# Altium PCB PCB.PcbDoc
Units mil, origin at the board's own origin, x right, y up, seen from the top; angles counter-clockwise.
Board outline 3910.03 x 3910.03 mil, 2 copper layers (Top Layer, Bottom Layer); 122 components, 81 nets, 452 pads, 76 vias.
Unrouted connection lines stored in the file: 29.
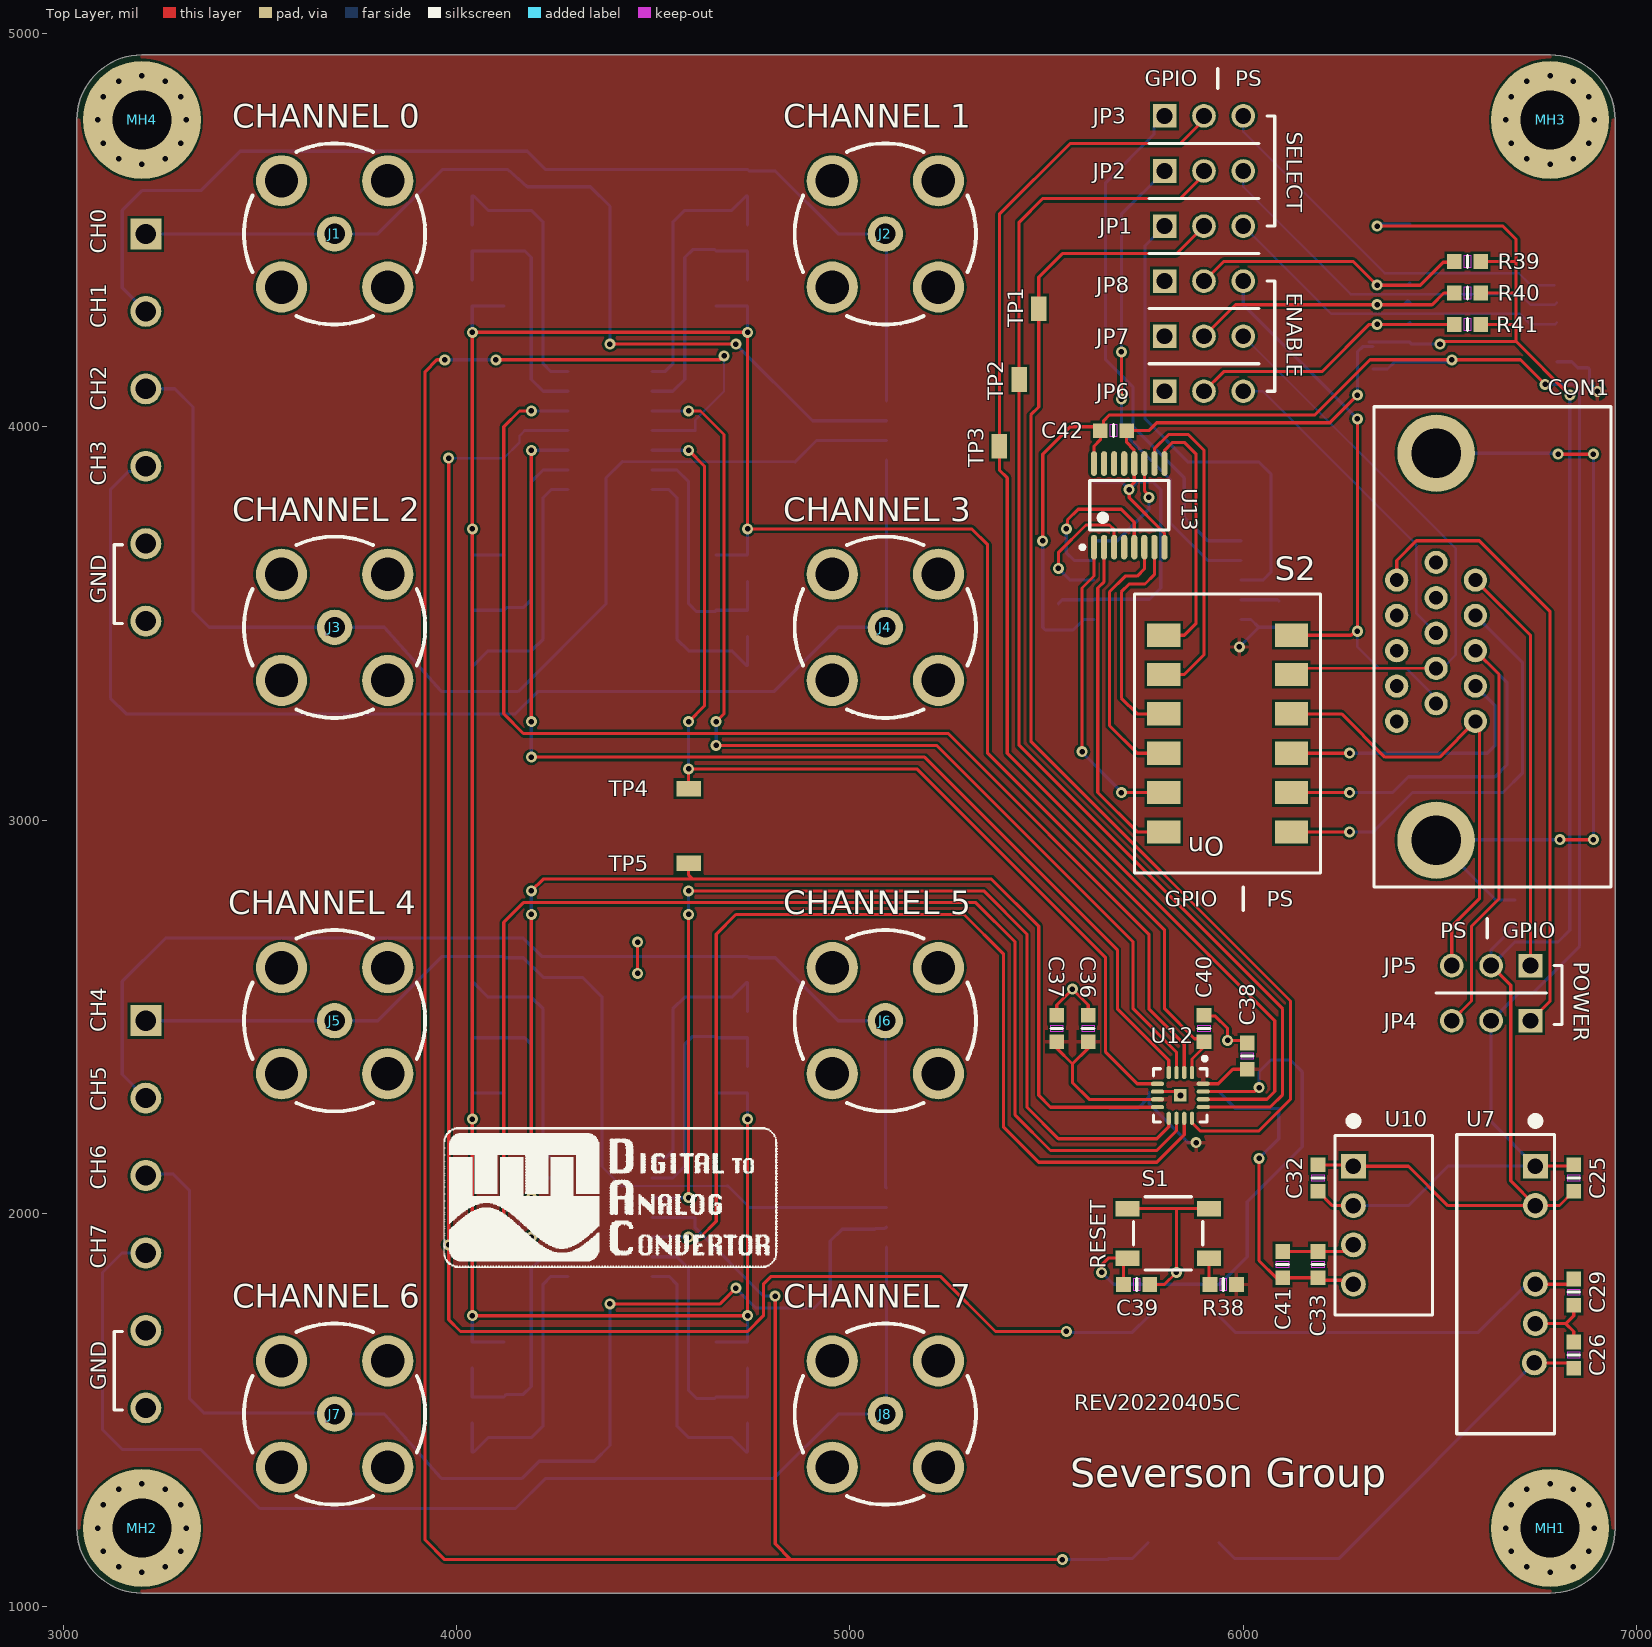
[diagram p0: Top Layer view]
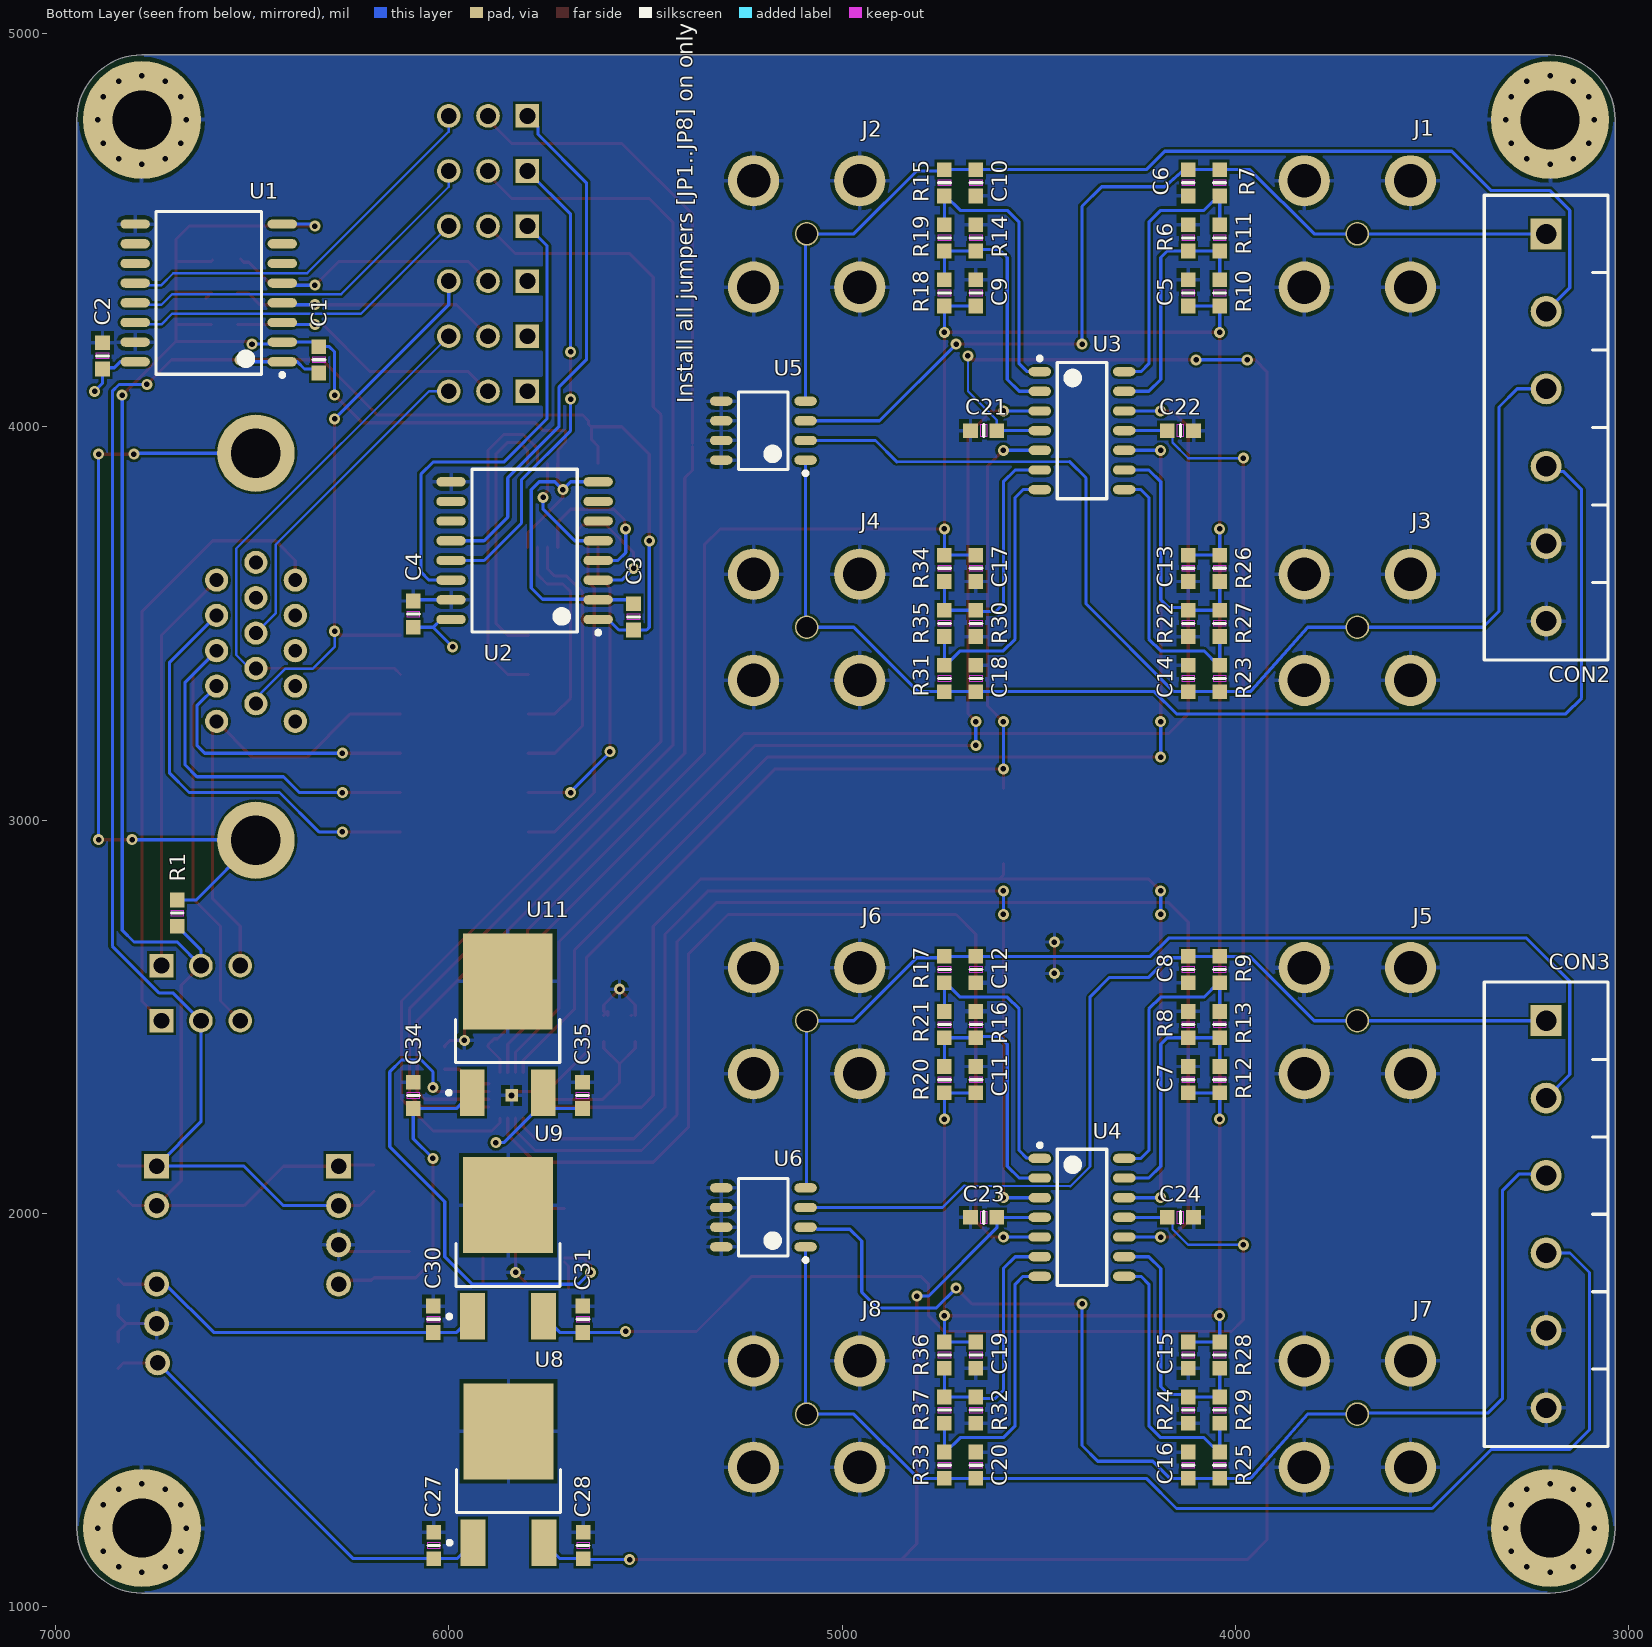
[diagram p1: Bottom Layer view, seen from below]

## Layer stack, top to bottom
Top Solder: solder mask 0.4, Solder Resist, Dk 3.5
Top Layer: signal copper 1.4
Dielectric 1: dielectric 12.6, FR-4, Dk 4.8
Bottom Layer: signal copper 1.4
Bottom Solder: solder mask 0.4, Solder Resist, Dk 3.5

## Board outline
6945.02,4780 ccw(c6780,4780) 6780,4945.02 3200,4945.02 ccw(c3200,4780) 3034.99,4780 3034.99,1200 ccw(c3200,1200) 3200,1034.98 6780,1034.98 ccw(c6780,1200) 6945.02,1200

## Design rules (kind name [scope] priority, off if disabled: settings)
Clearance [All] p1: gap=6 ignorepadtopadclearanceinfootprint=FALSE except(0: Arc-Hole Track-Hole SMDPad-Hole THPad-Hole Via-Hole Fill-Hole Poly-Hole Region-Hole Text-Hole)
DiffPairsRouting [All] p1: maxlimit=10 minlimit=10 mostfreqgap=10 substack1={6DC5AF7B-AFB7-40CB-90A0-DD7BBE91D74D} toplayer_{6dc5af7b-afb7-40cb-90a0-dd7bbe91d74d}_minwidth=15 toplayer_{6dc5af7b-afb7-40cb-90a0-dd7bbe91d74d}_maxwidth=15 toplayer_{6dc5af7b-afb7-40cb-90a0-dd7bbe91d74d}_prefwidth=15 bottomlayer_{6dc5af7b-afb7-40cb-90a0-dd7bbe91d74d}_minwidth=15 bottomlayer_{6dc5af7b-afb7-40cb-90a0-dd7bbe91d74d}_maxwidth=15 bottomlayer_{6dc5af7b-afb7-40cb-90a0-dd7bbe91d74d}_prefwidth=15 substack2={B2F53289-923C-4D80-BDE0-C70317A132FC} toplayer_{b2f53289-923c-4d80-bde0-c70317a132fc}_minwidth=15 toplayer_{b2f53289-923c-4d80-bde0-c70317a132fc}_maxwidth=15 toplayer_{b2f53289-923c-4d80-bde0-c70317a132fc}_prefwidth=15 bottomlayer_{b2f53289-923c-4d80-bde0-c70317a132fc}_minwidth=15 bottomlayer_{b2f53289-923c-4d80-bde0-c70317a132fc}_maxwidth=15 bottomlayer_{b2f53289-923c-4d80-bde0-c70317a132fc}_prefwidth=15 substack3={6217F55B-C9BC-4BE3-A519-856FA9E1F721} toplayer_{6217f55b-c9bc-4be3-a519-856fa9e1f721}_minwidth=15 toplayer_{6217f55b-c9bc-4be3-a519-856fa9e1f721}_maxwidth=15 toplayer_{6217f55b-c9bc-4be3-a519-856fa9e1f721}_prefwidth=15 bottomlayer_{6217f55b-c9bc-4be3-a519-856fa9e1f721}_minwidth=15 bottomlayer_{6217f55b-c9bc-4be3-a519-856fa9e1f721}_maxwidth=15 bottomlayer_{6217f55b-c9bc-4be3-a519-856fa9e1f721}_prefwidth=15 toplayer_minwidth=15 toplayer_maxwidth=15 toplayer_prefwidth=15 bottomlayer_minwidth=15 bottomlayer_maxwidth=15 bottomlayer_prefwidth=15 substack4={D87052B6-A27C-401B-AC05-89099C7DFB8A} toplayer_{d87052b6-a27c-401b-ac05-89099c7dfb8a}_minwidth=15 toplayer_{d87052b6-a27c-401b-ac05-89099c7dfb8a}_maxwidth=15 toplayer_{d87052b6-a27c-401b-ac05-89099c7dfb8a}_prefwidth=15 bottomlayer_{d87052b6-a27c-401b-ac05-89099c7dfb8a}_minwidth=15 bottomlayer_{d87052b6-a27c-401b-ac05-89099c7dfb8a}_maxwidth=15 bottomlayer_{d87052b6-a27c-401b-ac05-89099c7dfb8a}_prefwidth=15 substack5={7E4C404F-C848-4BC7-B60F-ECC0B7D8BEE9} toplayer_{7e4c404f-c848-4bc7-b60f-ecc0b7d8bee9}_minwidth=15 toplayer_{7e4c404f-c848-4bc7-b60f-ecc0b7d8bee9}_maxwidth=15 toplayer_{7e4c404f-c848-4bc7-b60f-ecc0b7d8bee9}_prefwidth=15 bottomlayer_{7e4c404f-c848-4bc7-b60f-ecc0b7d8bee9}_minwidth=15 bottomlayer_{7e4c404f-c848-4bc7-b60f-ecc0b7d8bee9}_maxwidth=15 bottomlayer_{7e4c404f-c848-4bc7-b60f-ecc0b7d8bee9}_prefwidth=15 substack6={9BDC3B81-D62A-426B-8E99-F9247763E9F1} toplayer_{9bdc3b81-d62a-426b-8e99-f9247763e9f1}_minwidth=15 toplayer_{9bdc3b81-d62a-426b-8e99-f9247763e9f1}_maxwidth=15 toplayer_{9bdc3b81-d62a-426b-8e99-f9247763e9f1}_prefwidth=15 bottomlayer_{9bdc3b81-d62a-426b-8e99-f9247763e9f1}_minwidth=15 bottomlayer_{9bdc3b81-d62a-426b-8e99-f9247763e9f1}_maxwidth=15 bottomlayer_{9bdc3b81-d62a-426b-8e99-f9247763e9f1}_prefwidth=15 maxuncoupledlength=500
HoleSize [All] p1: absolutevalues=TRUE maxlimit=250 minlimit=14 maxpercent=80.000 minpercent=20.000
MinimumSolderMaskSliver MinimumSolderMaskSliverException [HasFootprint('QFN50P300X300X80_HS-17N') vs HasFootprint('QFN50P300X300X80_HS-17N')] p1: minsoldermaskwidth=5.5
MinimumSolderMaskSliver [All] p2: minsoldermaskwidth=6
PolygonConnect [All] p1: connectstyle=Relief reliefconductorwidth=10 reliefentries=4 polygonreliefangle="90 Angle" airgapwidth=10
RoutingVias [All] p1: holewidth=14 width=28 viastyle="Through Hole" minholewidth=14 minwidth=28 maxholewidth=28 maxwidth=50
SilkToSilkClearance [All] p1: silktosilkclearance=6
SilkToSolderMaskClearance [IsPad] p1: minsilkscreentomaskgap=6 clearancetoexposedcopper=TRUE
SolderMaskExpansion [All] p1: expansion=4 istentingtop=FALSE
Width [All] p1: maxlimit=20 minlimit=6 preferedwidth=6 substack1={6DC5AF7B-AFB7-40CB-90A0-DD7BBE91D74D} substack2={B2F53289-923C-4D80-BDE0-C70317A132FC} substack3={6217F55B-C9BC-4BE3-A519-856FA9E1F721} substack4={D87052B6-A27C-401B-AC05-89099C7DFB8A} substack5={7E4C404F-C848-4BC7-B60F-ECC0B7D8BEE9} substack6={9BDC3B81-D62A-426B-8E99-F9247763E9F1} minimp=50.000000 maximp=50.000000 favimp=50.000000
25 further rules are at their usual default settings.

## Components (designator, comment, footprint, x,y, rotation, side; value= is the part's Value field where it differs from the comment)
C1 "CC0603KRX7R8BB104" 0603-CAP 6330,4170 r270 bottom value=0.1uF
C2 "CC0603KRX7R8BB104" 0603-CAP 6880,4180 r270 bottom value=0.1uF
C3 "CC0603KRX7R8BB104" 0603-CAP 5530,3516.54 r270 bottom value=0.1uF
C4 "CC0603KRX7R8BB104" 0603-CAP 6090,3523.46 r270 bottom value=0.1uF
C5 "CC0603KRX7R7BB184" 0603-CAP 4120,4340 r90 bottom value=0.18uF
C6 "CC0603KRX7R9BB103" 0603-CAP 4120,4620 r90 bottom value=10nF
C7 "CC0603KRX7R7BB184" 0603-CAP 4120,2340 r90 bottom value=0.18uF
C8 "CC0603KRX7R9BB103" 0603-CAP 4120,2620 r90 bottom value=10nF
C9 "CC0603KRX7R7BB184" 0603-CAP 4660,4340 r90 bottom value=0.18uF
C10 "CC0603KRX7R9BB103" 0603-CAP 4660,4620 r90 bottom value=10nF
C11 "CC0603KRX7R7BB184" 0603-CAP 4660,2340 r90 bottom value=0.18uF
C12 "CC0603KRX7R9BB103" 0603-CAP 4660,2620 r90 bottom value=10nF
C13 "CC0603KRX7R7BB184" 0603-CAP 4120,3640 r270 bottom value=0.18uF
C14 "CC0603KRX7R9BB103" 0603-CAP 4120,3360 r270 bottom value=10nF
C15 "CC0603KRX7R7BB184" 0603-CAP 4120,1640 r270 bottom value=0.18uF
C16 "CC0603KRX7R9BB103" 0603-CAP 4120,1360 r270 bottom value=10nF
C17 "CC0603KRX7R7BB184" 0603-CAP 4660,3640 r270 bottom value=0.18uF
C18 "CC0603KRX7R9BB103" 0603-CAP 4660,3360 r270 bottom value=10nF
C19 "CC0603KRX7R7BB184" 0603-CAP 4660,1640 r270 bottom value=0.18uF
C20 "CC0603KRX7R9BB103" 0603-CAP 4660,1360 r270 bottom value=10nF
C21 "CC0603KRX7R8BB104" 0603-CAP 4640,3990 r180 bottom value=0.1uF
C22 "CC0603KRX7R8BB104" 0603-CAP 4140,3990 r0 bottom value=0.1uF
C23 "CC0603KRX7R8BB104" 0603-CAP 4640,1990 r180 bottom value=0.1uF
C24 "CC0603KRX7R8BB104" 0603-CAP 4140,1990 r0 bottom value=0.1uF
C25 "CL10A475KA8NQNC" 0603-CAP 6840,2090 r90 top value=4.7uF
C26 "CL10B474KO8NNNC" 0603-CAP 6840,1640 r270 top value=0.47uF
C27 "CL10A105KP8NNNC" 0603-CAP 6038,1156 r270 bottom value=1uF
C28 "CL10A105KP8NNNC" 0603-CAP 5658,1156 r270 bottom value=1uF
C29 "CL10B474KO8NNNC" 0603-CAP 6840,1800 r270 top value=0.47uF
C30 "CL10A105KP8NNNC" 0603-CAP 6039,1731 r90 bottom value=1uF
C31 "CL10A105KP8NNNC" 0603-CAP 5659,1731 r90 bottom value=1uF
C32 "CL10A475KA8NQNC" 0603-CAP 6190,2090 r270 top value=4.7uF
C33 "CL10A105KP8NNNC" 0603-CAP 6190,1870 r270 top value=1uF
C34 "CL10A105KP8NNNC" 0603-CAP 6090,2300 r270 bottom value=1uF
C35 "CL10A105KP8NNNC" 0603-CAP 5660,2300 r270 bottom value=1uF
C36 "CL10A475KA8NQNC" 0603-CAP 5605.75,2470 r270 top value=4.7uF
C37 "CC0603KRX7R7BB184" 0603-CAP 5525.75,2470 r270 top value=0.18uF
C38 "CC0603KRX7R7BB184" 0603-CAP 6010,2400 r270 top value=0.18uF
C39 "CC0603KRX7R7BB184" 0603-CAP 5729,1819.43 r180 top value=0.18uF
C40 "CC0603KRX7R7BB184" 0603-CAP 5900,2470 r270 top value=0.18uF
C41 "CL10A105KP8NNNC" 0603-CAP 6100,1870 r270 top value=1uF
C42 "CC0603KRX7R8BB104" 0603-CAP 5670,3990 r180 top value=0.1uF
CON1 "ICD15S13E6GX00LF" ICD15S13E6GX00LF 6490,3440.51 r90 top
CON2 "1935200" 1935200 3210,4490 r270 bottom locked
CON3 "1935200" 1935200 3210,2490 r270 bottom locked
J1 "0731711900" 0731711900 3690,4490 r0 top
J2 "0731711900" 0731711900 5090,4490 r180 top
J3 "0731711900" 0731711900 3690,3490 r0 top
J4 "0731711900" 0731711900 5090,3490 r180 top
J5 "0731711900" 0731711900 3690,2490 r0 top
J6 "0731711900" 0731711900 5090,2490 r180 top
J7 "0731711900" 0731711900 3690,1490 r0 top
J8 "0731711900" 0731711900 5090,1490 r180 top
JP1 "TSW-103-07-F-S" PIN_HEADER_1X3 5900,4510 r0 top
JP2 "TSW-103-07-F-S" PIN_HEADER_1X3 5900,4650 r0 top
JP3 "TSW-103-07-F-S" PIN_HEADER_1X3 5900,4790 r0 top
JP4 "TSW-103-07-F-S" PIN_HEADER_1X3 6630,2490 r180 top
JP5 "TSW-103-07-F-S" PIN_HEADER_1X3 6630,2630 r180 top
JP6 "TSW-103-07-F-S" PIN_HEADER_1X3 5900,4090 r0 top
JP7 "TSW-103-07-F-S" PIN_HEADER_1X3 5900,4230 r0 top
JP8 "TSW-103-07-F-S" PIN_HEADER_1X3 5900,4370 r0 top
MH1 "MOUNT_HOLE" MOUNTING_HOLE 6780,1200 r180 top
MH2 "MOUNT_HOLE" MOUNTING_HOLE 3200,1200 r180 top
MH3 "MOUNT_HOLE" MOUNTING_HOLE 6780,4780 r180 top
MH4 "MOUNT_HOLE" MOUNTING_HOLE 3200,4780 r180 top
R1 "Resistor" 0603-RES 6690,2763.46 r270 bottom value=DNP
R6 "ERJ-PB3B1002V" 0603-RES 4120,4480 r270 bottom value=10K
R7 "RC0603FR-07120RL" 0603-RES 4040,4620 r90 bottom value=120
R8 "ERJ-PB3B1002V" 0603-RES 4120,2480 r270 bottom value=10K
R9 "RC0603FR-07120RL" 0603-RES 4040,2620 r90 bottom value=120
R10 "ERJ-PB3B7501V" 0603-RES 4040,4340 r90 bottom value=7.5K
R11 "ERJ-PB3B3002V" 0603-RES 4040,4480 r90 bottom value=30K
R12 "ERJ-PB3B7501V" 0603-RES 4040,2340 r90 bottom value=7.5K
R13 "ERJ-PB3B3002V" 0603-RES 4040,2480 r90 bottom value=30K
R14 "ERJ-PB3B1002V" 0603-RES 4660,4480 r270 bottom value=10K
R15 "RC0603FR-07120RL" 0603-RES 4740,4620 r90 bottom value=120
R16 "ERJ-PB3B1002V" 0603-RES 4660,2480 r270 bottom value=10K
R17 "RC0603FR-07120RL" 0603-RES 4740,2620 r90 bottom value=120
R18 "ERJ-PB3B7501V" 0603-RES 4740,4340 r90 bottom value=7.5K
R19 "ERJ-PB3B3002V" 0603-RES 4740,4480 r90 bottom value=30K
R20 "ERJ-PB3B7501V" 0603-RES 4740,2340 r90 bottom value=7.5K
R21 "ERJ-PB3B3002V" 0603-RES 4740,2480 r90 bottom value=30K
R22 "ERJ-PB3B1002V" 0603-RES 4120,3500 r90 bottom value=10K
R23 "RC0603FR-07120RL" 0603-RES 4040,3360 r270 bottom value=120
R24 "ERJ-PB3B1002V" 0603-RES 4120,1500 r90 bottom value=10K
R25 "RC0603FR-07120RL" 0603-RES 4040,1360 r270 bottom value=120
R26 "ERJ-PB3B7501V" 0603-RES 4040,3640 r270 bottom value=7.5K
R27 "ERJ-PB3B3002V" 0603-RES 4040,3500 r270 bottom value=30K
R28 "ERJ-PB3B7501V" 0603-RES 4040,1640 r270 bottom value=7.5K
R29 "ERJ-PB3B3002V" 0603-RES 4040,1500 r270 bottom value=30K
R30 "ERJ-PB3B1002V" 0603-RES 4660,3500 r90 bottom value=10K
R31 "RC0603FR-07120RL" 0603-RES 4740,3360 r270 bottom value=120
R32 "ERJ-PB3B1002V" 0603-RES 4660,1500 r90 bottom value=10K
R33 "RC0603FR-07120RL" 0603-RES 4740,1360 r270 bottom value=120
R34 "ERJ-PB3B7501V" 0603-RES 4740,3640 r270 bottom value=7.5K
R35 "ERJ-PB3B3002V" 0603-RES 4740,3500 r270 bottom value=30K
R36 "ERJ-PB3B7501V" 0603-RES 4740,1640 r270 bottom value=7.5K
R37 "ERJ-PB3B3002V" 0603-RES 4740,1500 r270 bottom value=30K
R38 "ERJ-PB3B1002V" 0603-RES 5949,1819.43 r0 top value=10K
R39 "ERJ-PB3B1002V" 0603-RES 6570,4420 r180 top value=10K
R40 "ERJ-PB3B1002V" 0603-RES 6570,4340 r180 top value=10K
R41 "ERJ-PB3B1002V" 0603-RES 6570,4260 r180 top value=10K
S1 "PTS 647 SK38 SMTR2 LFS" PTS647SK38SMTR2LFSCT-ND 5809,1949.43 r180 top
S2 "SDA06H0SBR" SDA06H0SBR 5960,3220 r180 top
TP1 "Test Point" RCU-0C 5480,4300 r0 top
TP2 "Test Point" RCU-0C 5430,4120 r180 top
TP3 "Test Point" RCU-0C 5380,3950 r180 top
TP4 "Test Point" RCU-0C 4590,3080 r90 top
TP5 "Test Point" RCU-0C 4590,2890 r90 top
U1 "ADUM130E1BRWZ" SOIC127P1030X265-16N 6610,4340 r0 bottom
U2 "ADUM130E1BRWZ" SOIC127P1030X265-16N 5807.01,3685 r0 bottom
U3 "OPA4192IDR" SOIC127P600X175-14N 4390,3990 r180 bottom
U4 "OPA4192IDR" SOIC127P600X175-14N 4390,1990 r180 bottom
U5 "SMDA12CTR" SOIC127P600X175-8N-B 5200,3990 r0 bottom
U6 "SMDA12CTR" SOIC127P600X175-8N-B 5200,1990 r0 bottom
U7 "PDME1-S5-D15-S" PDME1-S5-D15-S 6742.57,2120.18 r270 top
U8 "MC78M12BDTRKG" DPAK229P991X238-3N 5848,1304.66 r90 bottom
U9 "MC79M12CDTRKG" DPAK229P991X238-3N 5849,1879.66 r90 bottom
U10 "PDSE1-S5-S9-S" PDSE1-S5-S9-S 6280,1970 r270 top
U11 "MC78M05CDTRKG" DPAK229P991X238-3N 5850,2448.66 r90 bottom
U12 "DAC60508MCRTET" QFN50P300X300X80_HS-17N 5840,2300 r270 top
U13 "AM26C32" TSOP65P640X120-16N 5710,3800 r90 top

## Footprints (in the part's own frame and the unit in brackets; to place one, negate y for a bottom-side part, rotate by r counter-clockwise, add the part's x,y. Pads: shape width x height; smd on the part's side, far side on the other; paste and mask are expansions set on the pad)
0603-CAP [mm]
  rect 0.95x0.95 smd: 1(-0.85,0) 2(0.85,0)
  Top Layer keep-out region: -0.2,0.4 0.2,0.4 0.2,-0.4 -0.2,-0.4
  silkscreen extent 0,-0.38 0,0.38, body extent -0.77,-0.45 0.83,0.45, height 0.78
0603-RES [mm]
  rect 0.95x0.95 smd: 1(-0.85,0) 2(0.85,0)
  Top Layer keep-out region: -0.2,0.4 0.2,0.4 0.2,-0.4 -0.2,-0.4
  silkscreen extent 0,-0.38 0,0.38, body extent -0.8,-0.4 0.8,0.4, height 0.44
1935200 [mm]
  rect 2x2 hole 1.3: 1(0,0)
  round 2 hole 1.3: 2(5,0) 3(10,0) 4(15,0) 5(20,0) 6(25,0)
  silkscreen extent -2.5,-4 27.5,4, body extent -2.9,-4 27.5,5, height 11.5
0731711900 [mil] "CONN BNC JACK STR 75 OHM PCB"
  round 90 / inner round 60 / far side round 60 hole 52: 1(0,0)
  round 130 hole 85: 2(-135,-135)
  round 130 hole 85 paste+0: 2(-135,135) 2(135,-135) 2(135,135)
  silkscreen extent -230,-230 230,230, body extent -217,-217 217,217, height 657
DPAK229P991X238-3N [mm] "D-PAK, 3-Pads, Body 6.21x6.73mm (max), IPC Medium Density"
  rect 3x1.6 smd: 1(-3.59,2.29) 3(-3.59,-2.29)
  rect 6.2x5.8 smd: 4(3.59,0)
  silkscreen extent -3.72,-3.36 1.12,3.93, body extent -4.35,-3.38 5.56,3.37, height 2.38
ICD15S13E6GX00LF [mm] "CONN DSUB HD RCPT 15POS R/A SLDR"
  round 1.5 hole 0.9: 1(4.305,2.54) 2(2.025,2.54) 3(-0.255,2.54) 4(-2.535,2.54) 5(-4.815,2.54) 6(5.445,0) 7(3.165,0) 8(0.885,0) 9(-1.395,0) 10(-3.675,0) 11(4.305,-2.54) 12(2.025,-2.54) 13(-0.255,-2.54) 14(-2.535,-2.54) 15(-4.815,-2.54)
  round 5 hole 3.2: SH1(12.495,0) SH2(-12.495,0)
  silkscreen extent -15.5,-11.3 15.5,4, body extent -15.5,-17.5 15.5,4.08, height 12.65